# KiCad board KES.kicad_pcb (continued)
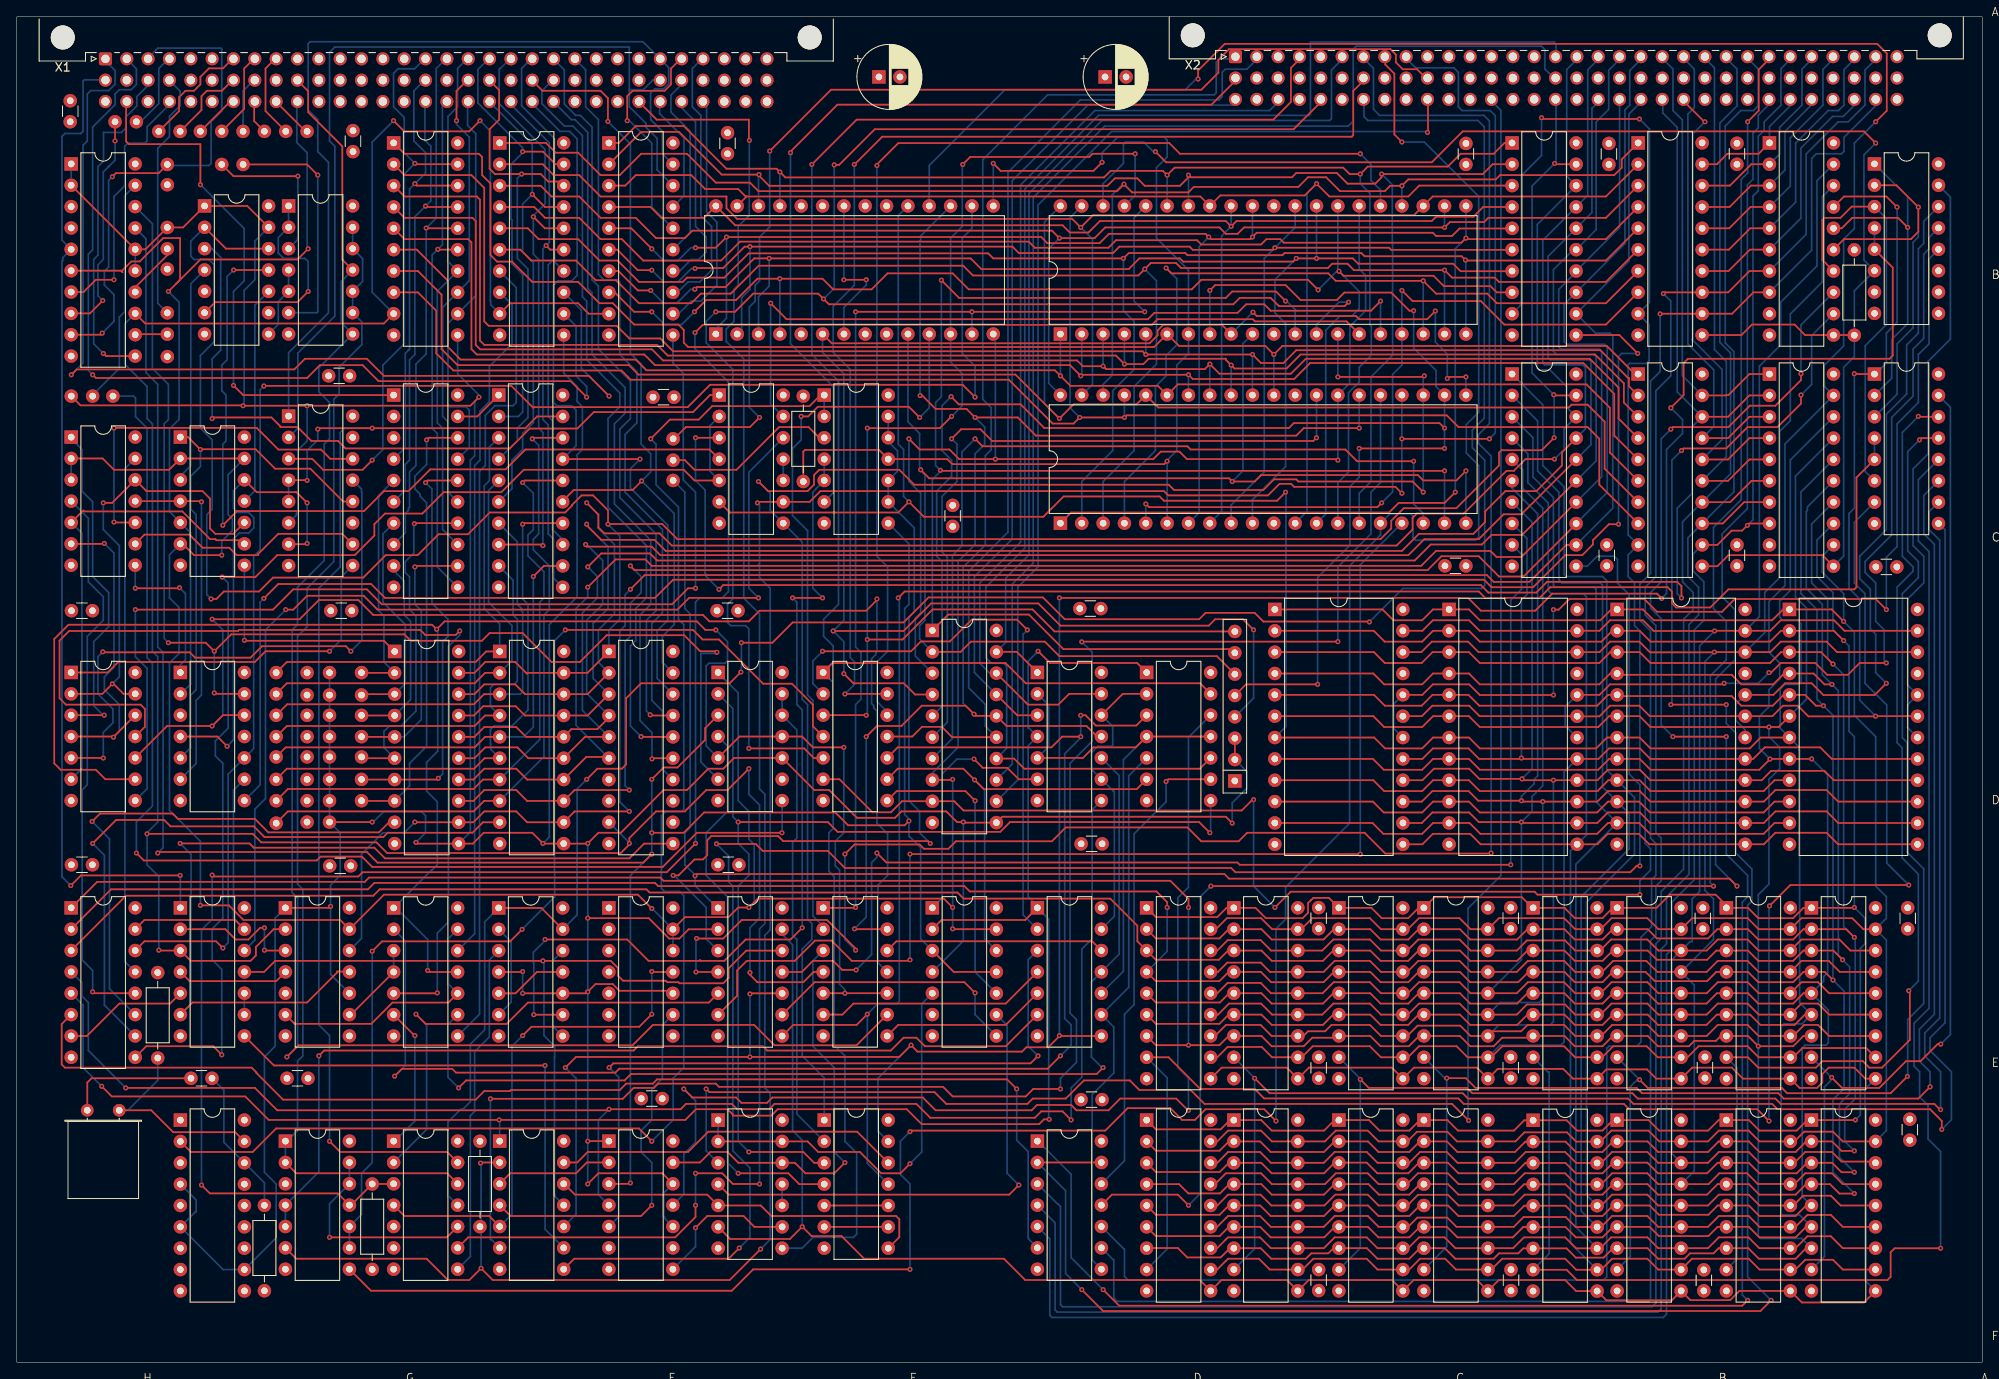
[diagram p0: board, top side]
## Routing (per net, layer and track width the routed paths; a pad name or vN(x,y) marks a point on that pad's centre or on a via; arc(x,y) is an arc through that point) (continued)
-D1: length 220.3
  Top w0.2: v1(183.01,107.43) 179.57,107.43 178.17,106.04 177.3,106.04 172.22,100.96 166.63,100.96 166.12,100.45 166.12,99.05 164.22,97.15 77.96,97.15 76.51,98.6 69.93,98.6 69.22,99.31 69.22,100.83 v1(67.83,102.23) ; FCCM1.2 67.93,79.47 FMCM1.18 60.48,79.47 59.32,80.64 55.63,80.64 54.47,79.47 FWCM1.18
  Bottom w0.2: v1(183.01,107.43) 184.16,108.58 184.16,111.04 BOBK1.18 184.51,113.55 184.47,113.55 184.47,116.05 182.47,118.05 181.16,118.05 180.97,118.24 180.97,135.35 BOAM1.18 184.47,141.09 184.47,153.78 185.74,155.05 ; FCCM1.2 69.22,83.26 69.22,87.11 71.13,89.02 71.13,97.27 69.15,99.26 69.15,100.91 v1(67.83,102.23)
-D2: length 222.1
  Top w0.2: FCCM1.3 67.93,76.93 FMCM1.17 60.48,76.93 59.38,78.03 55.5,78.03 54.4,76.93 FWCM1.17 ; v1(67.83,99.69) 67.83,99.56 69.55,97.83 75.9,97.83 77.22,96.51 164.85,96.51 166.89,98.54 173.36,98.54 174.76,99.94 174.76,101.21 177.17,103.62 180.86,103.62 183.9,106.67 183.9,108.24 BOBK1.17
  Bottom w0.2: 188.28,155.05 186.97,153.74 186.97,138.81 BOAM1.17 181.62,133.46 181.62,118.86 181.83,118.65 186.37,118.65 186.69,118.33 186.69,111.03 BOBK1.17 ; v1(67.83,99.69) 67.83,99.56 70.37,97.02 70.37,89.65 68.59,87.88 68.59,81.35 FCCM1.3
-D3: length 216.7
  Top w0.2: FWCM1.16 54.47,74.39 55.63,75.56 59.44,75.56 60.61,74.39 FMCM1.16 66,75.3 69.1,75.3 70.47,76.68 ; BOBK1.16 179.07,100.87 176.96,100.87 174,97.91 167.52,97.91 165.62,96 76.59,96 75.57,97.02 67.83,97.02 67.7,97.15
  Bottom w0.2: FCCM1.4 67.83,79.57 67.83,88.26 69.73,90.16 69.73,95.37 67.83,97.27 v1(67.7,97.27) ; 188.28,149.97 187.47,149.16 187.47,136.77 BOAM1.16 182.25,131.55 182.25,119.5 182.51,119.25 187.13,119.25 187.36,119.02 187.36,109.16 BOBK1.16
-D4: length 224.4
  Top w0.2: v1(67.95,94.61) 69.55,96.21 75.37,96.21 76.21,95.37 166.38,95.37 168.28,97.27 174.38,97.27 175.52,98.42 179.16,98.42 BOBK1.15 ; FWCM1.15 54.47,71.85 55.76,73.14 59.57,73.14 60.86,71.85 FMCM1.15 67.63,74.39 FCCM1.5
  Bottom w0.2: FCCM1.5 67.32,77.54 67.32,89.15 69.1,90.92 69.1,93.46 v1(67.95,94.61) ; BOAM1.15 187.97,134.73 187.97,147.55 189.47,149.05 189.47,153.7 190.82,155.05 ; BOBK1.15 187.97,107.23 187.97,119.63 187.97,119.63 187.71,119.88 183.27,119.88 182.89,120.26 182.89,129.97 185.27,132.35
-D5: length 222
  Top w0.2: v1(67.95,92.19) 71.25,95.5 74.81,95.5 75.57,94.73 167.14,94.73 168.92,96.51 175.4,96.51 176.12,95.79 179.07,95.79 BOBK1.14 ; FWCM1.14 54.34,69.31 55.63,70.6 59.44,70.6 60.74,69.31 FMCM1.14 67.78,72 70.32,72
  Bottom w0.2: FCCM1.6 66.56,75.76 66.56,89.65 67.95,91.05 v1(67.95,92.19) ; BOAM1.14 190.76,134.98 190.76,149.91 ; BOBK1.14 188.63,105.35 188.63,120.19 188.3,120.52 183.78,120.52 183.52,120.77 183.52,127.63 185.59,129.69
-D6: length 232.6
  Top w0.2: v1(73.03,94.73) 73.03,94.71 73.52,94.23 167.91,94.23 169.56,95.88 174,95.88 176.41,93.46 179.33,93.46 185.59,99.72 ; FWCM1.13 54.34,66.77 55.63,68.06 59.44,68.06 60.74,66.77 FMCM1.13 66.38,68.06 v1(72.91,68.06)
  Bottom w0.2: v1(72.91,68.06) 72.4,68.57 72.4,85.72 73.03,86.35 73.03,90.29 74.3,91.56 74.3,93.46 v1(73.03,94.73) ; 193.36,155.05 191.97,153.66 191.97,149.55 191.4,148.98 191.4,133.08 BOAM1.13 184.16,125.84 184.16,121.4 184.47,121.09 188.99,121.09 189.29,120.79 189.29,103.47 BOBK1.13
-D7: length 250.6
  Top w0.2: v1(72.91,65.52) 66.38,65.52 FMCM1.12 60.74,64.23 59.44,65.52 55.63,65.52 54.34,64.23 FWCM1.12 47.4,64.23 v1(47.38,64.25) ; v1(73.03,91.94) 74.73,93.63 174.97,93.63 175.78,92.83 180.03,92.83 184.43,97.23 BOBK1.12
  Bottom w0.2: v1(73.03,91.94) 72.4,91.31 72.4,87.62 71.76,86.99 71.76,66.67 v1(72.91,65.52) ; v1(47.38,64.25) 46.11,62.98 43.57,62.98 41.03,60.44 41.03,50.41 GIDM1.12 ; BOBK1.12 189.95,101.59 189.95,122.09 189.62,122.42 187.9,122.42 BOAM1.12 191.87,131.01 191.87,148.29 191.91,148.33 191.91,148.52 193.36,149.97
-DAT0: length 105.6
  Bottom w0.2: GIBO1.1 32.35,120.09 37.09,124.83 37.09,142.74 35.82,144.01 35.82,147.82 34.68,148.96 34.68,156.84 34.93,157.09 74.51,157.09 77.58,154.02 77.58,152.11 76.96,151.48 75.93,151.48 75.44,150.98 75.44,148.85 75.45,148.84 75.45,147.82 76.84,146.42 76.84,143.76 FCAM1.19
-DAT1: length 107.1
  Bottom w0.2: FCAM1.18 76.21,141.85 76.21,141.85 76.21,145.59 74.89,146.91 74.89,147.36 72.89,149.36 72.89,151.37 ; 72.89,151.37 72.91,151.38 74.56,151.38 75.73,152.55 76.51,152.55 ; 72.89,151.37 72.89,156.45 72.91,156.46 37.85,156.46 37.22,155.82 37.22,145.28 37.85,144.65 37.85,124.45 33.45,120.05 33.45,111.11 GIBO1.2
-DAT2: length 14.3
  Bottom w0.2: FCAM1.17 79.41,138.75 79.41,145.64 76.51,148.53 76.51,150.01
-DAT3: length 27.5
  Top w0.2: v1(72.65,147.69) 72.65,150.61 73.29,151.25 77.1,151.25 77.86,152.01 77.86,153.9 79.05,155.09
  Bottom w0.2: FCAM1.16 75.57,137.41 75.57,145.03 72.91,147.69 v1(72.65,147.69)
-DAT4: length 21.9
  Bottom w0.2: 79.05,151.93 77.86,150.74 77.86,148.71 80.15,146.42 80.15,134.41 FCAM1.15
-DAT5: length 24.1
  Bottom w0.2: FCAM1.14 78.9,129.81 80.27,131.18 81.16,131.18 82.05,132.07 82.05,133.85 80.78,135.12 80.78,147.57 79.05,149.3 79.05,150.01
-DAT6: length 31.8
  Bottom w0.2: 78.65,127.27 79.89,128.52 81.29,128.52 82.69,129.91 82.69,135.12 81.41,136.39 81.41,148.33 80.4,149.34 80.4,153.9 81.59,155.09
-DAT7: length 28.5
  Bottom w0.2: 78.77,124.73 80.27,126.23 81.41,126.23 83.32,128.14 83.32,135.63 82.1,136.85 82.1,149.5 81.59,150.01
-DMACS: length 92.9
  Top w0.2: v1(162.31,126.23) 161.17,125.09 149.23,125.09 148.47,125.85 146.31,125.85 145.3,124.83 135.39,124.83 134.63,124.07 91.62,124.07 v1(89.72,125.98)
  Bottom w0.2: 91.2,112.51 89.72,113.99 v1(89.72,125.98) ; CAAS1.16 162.31,126.23 v1(162.31,126.23)
-DMARDY0: length 138.5
  Top w0.2: 160.34,152.51 159.06,151.23 159.06,145.97 158.88,145.79 103,145.79 99.7,142.49 v1(99.68,142.49) ; EGCO1.13 98.58,79.51 v1(98.56,79.49)
  Bottom w0.2: v1(99.68,142.49) 99.68,128.11 97.16,125.6 97.16,120.13 99.19,118.1 99.19,83.81 99.7,83.3 99.7,80.64 v1(98.56,79.49)
-EIN8: length 222.8
  Top w0.2: 29.47,90.92 31.12,92.58 42.17,92.58 43.82,90.92 75.95,90.92 78.11,93.08 174.63,93.08 175.52,92.19 180.47,92.19 184.28,96 186.32,96 187.59,97.27 187.59,97.78 189.49,99.69 v1(190.63,99.69) ; BOAM1.11 190.74,122.19 v1(192.92,120.01)
  Bottom w0.2: v1(192.92,120.01) 191.02,120.01 190.63,119.63 v1(190.63,99.69) ; v1(29.41,90.86) 28.96,90.42 28.96,68.68 GSCO1.8
-EIN16: length 124.3
  Top w0.2: v1(14.11,89.53) 30.49,89.53 32.9,91.94 41.66,91.94 43.44,90.16 77.99,90.16 79.89,92.07 v1(80.78,92.07)
  Bottom w0.2: v1(80.78,92.07) 80.78,103.5 79.32,104.96 79.32,117.66 78.09,118.89 FCAM1.11 ; v1(14.11,89.53) 14.11,83.94 15.5,82.54 15.5,68.22 HECO1.8
-HALT: length 148.8
  Bottom w0.2: 183.2,152.51 181.87,153.84 181.87,156.15 181.47,156.55 159.41,156.55 159.06,156.2 159.06,147.64 158.47,147.05 129.47,147.05 120.97,138.55 120.97,95.05 118.47,92.55 118.47,71.15 DUCK1.13
-HALTI: length 101.3
  Top w0.2: v1(114.05,109.85) 114.94,108.96 139.33,108.96 139.71,108.58 158.12,108.58 159.52,107.18 v1(166.25,107.18)
  Bottom w0.2: v1(114.05,109.85) 112.49,108.28 112.49,97.1 111.36,95.98 111.36,74.2 DUCK1.7 ; v1(166.25,107.18) 166.25,102.1 167.39,100.96 167.39,100.95 CABM1.18
-IEO: length 255.8
  Top w0.2: EGCO1.1 97.1,83.18 117.67,83.18 120.09,80.76 140.84,80.76 DACO1.13 ; v1(94.62,142.49) 99.96,147.82 149.55,147.82 151.65,149.92 151.65,153.98 152.72,155.05
  Bottom w0.2: 94.62,142.61 94.62,119.88 97.8,116.71 97.8,90.16 96.02,88.38 96.02,86.35 97.16,85.21 97.16,83.3 95.97,82.11 ; EQEI1.8 93.46,13.56 94.75,14.85 99.58,14.85 99.96,15.23 99.96,24.88 98.56,26.28 98.56,36.44 97.29,37.71 97.29,57.78 96.66,58.41 96.66,62.98 97.16,63.49 97.16,80.86 EGCO1.1
-INH: length 213.1
  Top w0.2: 208.6,155.05 207.32,153.77 207.32,148.89 v1(206,147.57) ; DKEK1.11 130.34,19.93 138.18,19.93 v1(139.45,18.66) ; v1(142.12,56.63) v1(201.94,56.63)
  Bottom w0.2: v1(206,147.57) 206,141.47 205.24,140.71 205.24,102.61 201.94,99.31 201.94,89.65 203.46,88.13 203.46,83.56 201.56,81.65 201.56,57.02 v1(201.94,56.63) ; v1(139.45,18.66) 140.85,20.06 140.85,55.36 v1(142.12,56.63)
-INIT: length 107.7
  Top w0.2: 12.58,129.66 12.39,129.85 HEAO1.6 ; 18.99,128.33 21.85,131.18 33.41,131.18 v1(34.68,132.45) ; 18.99,128.33 v1(18.04,127.37) ; 18.99,128.33 19.44,128.77 19.44,133.72 17.41,133.72 14.63,130.95 13.63,130.95 12.52,129.83 12.52,129.72
  Bottom w0.2: 33.33,150.01 33.33,145.11 34.55,143.88 34.55,132.58 v1(34.68,132.45) ; GSCO1.2 19.53,79.51 20.68,80.67 20.68,98.68 GSBQ1.5 18.17,101.19 18.17,111.02 19.31,112.16 19.31,126.1 v1(18.04,127.37)
-INT: length 288.2
  Top w0.2: GIEK1.8 42.15,8.5 85.1,8.5 87.64,11.04 v1(106.31,11.04) ; 162.88,155.05 162.88,154.37 163.96,153.29 163.96,146.05 v1(164.85,145.15) ; v1(106.31,27.42) 106.43,27.55 129.55,27.55 132.22,30.22 137.29,30.22 138.69,28.82 140.22,28.82 141.49,30.09 148.47,30.09 v1(149.87,28.69)
  Bottom w0.2: v1(106.31,27.42) 105.16,26.28 105.16,22.34 106.31,21.2 v1(106.31,11.04) ; v1(149.87,28.69) 149.87,51.55 151.01,52.7 151.01,56.51 158.63,64.13 158.63,94.73 162.31,98.42 162.31,98.42 CABM1.16 163.41,100.91 165.94,100.91 166.17,100.68 166.17,98.09 166.48,97.78 173.62,97.78 174,98.16 174,106.67 172.52,108.15 172.52,111.55 174,113.02 174,138.68 167.52,145.15 v1(164.85,145.15)
-INT0: length 13.9
  Top w0.2: X9.8.1 19.31,148.84 19.31,150.49 20.07,151.25 21.09,151.25 21.85,152.01 21.85,152.9 22.87,153.92 24.54,153.92 25.71,155.09
-INT1: length 9.8
  Top w0.2: X9.7.1 21.98,148.96 21.98,150.61 22.61,151.25 24.41,151.25 25.71,152.55
-INT2: length 5.1
  Top w0.2: X9.6.1 25.44,150.01
-INT3: length 10.3
  Top w0.2: 28.25,155.09 27.06,153.9 27.06,149.09 X9.5.1
-INT4: length 6.4
  Bottom w0.2: 26.93,146.68 26.93,151.23 28.25,152.55
-INT5: length 4.1
  Top w0.2: X9.3.1 28.25,147.65 28.25,150.01
-INT6: length 10.2
  Top w0.2: X9.2.1 29.6,148.84 29.6,153.9 30.79,155.09
-INT7: length 5.1
  Top w0.2: 30.79,150.01 34.38,146.42
-INTA: length 227.2
  Top w0.2: v1(82.05,32.5) 82.43,32.12 109.23,32.12 110.62,30.73 120.28,30.73 120.91,31.36 124.85,31.36 127.01,33.52 132.47,33.52 133.61,32.38 139.71,32.38 141.36,30.73 170.82,30.73 v1(172.79,28.76)
  Bottom w0.2: v1(82.05,32.5) 82.05,25.14 82.05,25.14 EQEI1.3 ; 175.58,149.97 176.64,148.91 176.64,57.9 172.73,53.99 172.73,28.79
-INTI: length 155.7
  Top w0.2: v1(101.1,76.95) 101.08,76.97 EGCO1.3 ; v1(101.23,111.12) 109.86,111.12 v1(111.26,112.51) ; v1(101.23,85.97) 105.42,85.97 109,89.55 120.89,89.55 123.51,86.93 R2.8 ; v1(112.58,142.49) 113.47,143.38 127.64,143.38 128.02,143.76 v1(133.1,143.76)
  Bottom w0.2: 131.83,137.53 133.1,138.8 v1(133.1,143.76) ; v1(101.1,76.95) 101.23,77.08 v1(101.23,85.97) v1(101.23,111.12) ; v1(112.58,142.49) 112.53,142.44 112.53,135.12 111.14,133.73 DUAS1.12 111.14,118.98 112.53,117.59 112.53,113.78 v1(111.26,112.51)
-IORQ: length 110.8
  Top w0.2: DKCO1.13 125.25,79.51 123.96,78.22 120.34,78.22 DUCK1.18
  Bottom w0.2: 150.18,149.97 149.1,148.9 128.31,148.9 119.47,140.05 119.47,97.55 114.61,92.69 114.61,83.15 115.79,81.97 DUCK1.18
-IORQI: length 168.9
  Top w0.2: v1(172.47,106.04) 171.33,104.89 167.39,104.89 166.76,105.53 148.09,105.53 147.33,104.77 v1(144.66,104.77) 144.28,105.15 108.59,105.15 v1(107.58,106.16) ; DUCK1.2 112.34,84.51 113.55,85.72 122.36,85.72 124.09,83.99 142.83,83.99 R2.6
  Bottom w0.2: DUAS1.10 106.06,111.87 107.45,110.48 107.45,106.42 107.58,106.29 v1(107.58,106.16) 107.58,106.04 108.09,105.53 108.09,88.26 107.45,87.62 107.45,86.03 DUCK1.2 ; CAAS1.10 145.93,121.17 145.93,106.04 v1(144.66,104.77) ; CABM1.20 172.47,106.03 v1(172.47,106.04)
-IOWC: length 64.7
  Top w0.2: FWBM1.1 26.94,115.05 v1(25.79,116.2) ; v1(21.85,140.07) 21.85,144.9 13.34,144.9 13.01,145.23 13.01,150.01
  Bottom w0.2: v1(21.85,140.07) 27.06,134.87 27.06,128.64 25.79,127.37 v1(25.79,116.2)
-KESCLK: length 130.7
  Top w0.2: v1(89.61,144.07) 96.91,151.38 140.98,151.38 143.01,153.41 143.01,154.93 144.28,156.2 163.48,156.2 164.14,155.54 164.14,154.63 164.96,153.81 166.66,153.81 167.96,152.51 ; 78.24,109.85 79.64,111.24 87.26,111.24 v1(88.4,112.39)
  Bottom w0.2: v1(88.4,112.39) 87.18,113.61 87.18,125.52 87.88,126.22 87.88,128.12 88.4,128.64 88.4,133.85 89.61,135.06 v1(89.61,144.07)
-M1: length 99.9
  Top w0.2: DUCK1.17 119.07,76.95 121.45,76.95
  Bottom w0.2: 144.68,149.55 127.47,149.55 118.47,140.55 118.47,97.93 113.97,93.43 113.97,82.05 DUCK1.17
-M1I: length 129
  Top w0.2: v1(106.18,109.85) 107.45,108.58 111.01,108.58 112.15,107.43 v1(116.47,107.43) 135.26,107.43 136.15,108.32 138.38,108.32 139.27,107.43 157.11,107.43 v1(157.23,107.31)
  Bottom w0.2: 116.47,122.06 v1(116.47,107.43) ; v1(106.18,109.85) 106.18,104.77 107.58,103.37 107.58,89.15 106.94,88.51 106.94,84 DUCK1.3 ; v1(157.23,107.31) 157.23,107.31 CABM1.27 158.63,116.45 158.63,118.99 158.67,119.03 158.67,123.22 160.54,125.09 160.54,129.28 159.77,130.04 CAAS1.26
-MRD: length 308.1
  Top w0.2: v1(195.78,90.86) 195.21,91.43 182.76,91.43 180.73,89.4 174.25,89.4 172.73,90.92 v1(124.09,90.92) ; v1(87.26,43.81) 87.33,43.88 EQDM1.10 ; DKDM1.8 124.11,38.81 122.75,37.46 120.15,37.46 119.64,36.95 107.2,36.95 v1(106.43,37.71) 105.04,36.31 v1(87.26,36.31) 66.56,36.31 v1(65.29,35.04) ; AEAO1.5 223.27,130.22 223.27,119.75 222.89,119.37 198.89,119.37 198.38,118.86 198.38,115.05 v1(196.86,113.53)
  Bottom w0.2: v1(65.29,35.04) 66.56,33.77 66.56,17.61 FMEK1.10 ; v1(195.78,90.86) 196.35,91.43 196.35,108.58 198.25,110.48 198.25,112.13 v1(196.86,113.53) ; EGEI1.13 102.56,27.42 102.5,27.42 102.5,33.77 v1(106.43,37.71) ; AEAO1.4 AEAO1.5 ; v1(124.09,38.85) v1(124.09,90.92) ; v1(87.26,36.31) v1(87.26,43.81)
-MRDC: length 122.5
  Top w0.2: v1(6.48,117.47) 7.12,118.1 33.03,118.1 34.3,119.37 41.66,119.37 43.7,117.34 68.08,117.34 v1(70.49,114.93)
  Bottom w0.2: 10.47,154.88 11.69,153.66 11.69,152.04 10.93,151.27 8.8,151.27 8.39,150.87 8.39,145.28 7.88,144.77 7.88,118.86 v1(6.48,117.47) ; v1(70.49,114.93) 67.19,118.23 67.19,125.17 FMAM1.13
-MRDWR: length 221.6
  Top w0.2: v1(101.23,41.39) 99.96,40.12 92.41,40.12 EQDM1.8 ; v1(104.91,90.92) 105.67,91.69 174,91.69 174.76,90.92 181.24,90.92 182.51,92.19 196.48,92.19 196.98,91.69 196.98,90.29 197.49,89.78 201.56,89.78 203.72,91.94 218.7,91.94 218.96,92.19 218.96,105.25 AEBK1.5
  Bottom w0.2: v1(104.91,90.92) 105.04,90.8 105.04,42.92 104.78,42.66 102.5,42.66 v1(101.23,41.39) 101.23,23.67 EGEI1.11 ; AEBK1.4 AEBK1.5
-MREQ: length 109.4
  Top w0.2: DKCO1.1 119.01,84.51 DUCK1.19
  Bottom w0.2: 157.8,155.05 156.47,153.72 156.47,147.92 156.27,147.72 129.14,147.72 120.47,139.05 120.47,96.05 117.69,93.27 117.69,85.61 DUCK1.19
-MRQI: length 194.2
  Top w0.2: v1(151.01,126.23) 149.87,127.37 144.66,127.37 143.9,126.61 112.15,126.61 v1(110.04,128.72) ; v1(109.93,106.1) 109.99,106.04 v1(169.93,106.04) ; DUCK1.1 110.86,88.94 120.45,88.94 124.57,84.83 144.53,84.83
  Bottom w0.2: v1(151.01,126.23) 151.14,126.23 152.28,125.09 152.15,124.96 CAAS1.12 ; CABM1.19 169.93,106.03 v1(169.93,106.04) ; DUCK1.1 108.97,105.02 109.99,106.04 v1(109.93,106.1) 109.35,106.67 109.35,114.17 110.04,114.85 v1(110.04,128.72)
-MWTC: length 113.8
  Top w0.2: v1(67.83,114.8) 65.92,116.71 43.06,116.71 41.16,118.61 36.08,118.61 34.55,117.09 9.41,117.09 v1(9.02,117.47)
  Bottom w0.2: v1(9.02,117.47) 8.52,117.98 8.52,131.82 9.02,132.33 9.02,146.93 11.69,149.6 11.69,150.87 12.2,151.38 13.6,151.38 14.23,152.01 14.23,153.87 13.01,155.09 ; FMAM1.12 66.56,123.26 66.56,117.34 67.83,116.07 v1(67.83,114.8)
-NMI: length 230
  Top w0.2: v1(80.91,50.41) 80.92,50.4 84.07,50.4 86.28,52.61 96.43,52.61 99.83,49.21 v1(99.83,49.01) ; v1(98.56,60.44) 99.7,61.59 107.45,61.59 107.96,61.08 110.88,61.08 111.77,61.97 123.2,61.97 124.85,63.62 139.33,63.62 140.98,61.97 145.42,61.97 146.44,62.98 160.41,62.98 162.88,60.51 175.41,60.51 v1(175.47,60.57) ; EQDM1.4 v1(80.83,46.42)
  Bottom w0.2: v1(80.91,50.41) 80.83,50.34 v1(80.83,46.42) ; v1(99.83,49.01) 98.56,50.28 v1(98.56,60.44) ; 160.34,155.05 161.47,153.92 161.47,149.05 162.19,148.33 174.61,148.33 175.27,147.67 175.27,111.65 173.97,110.35 173.97,109.29 175.47,107.79 v1(175.47,60.57)
-NMI2: length 136.9
  Top w0.2: EQDM1.6 85.73,43.6 85.73,46.6 86.88,47.74 92.59,47.74 95,50.16 96.97,50.16 99.38,47.74 106.18,47.74 v1(106.31,47.87) ; v1(106.31,60.44) v1(159.9,60.44)
  Bottom w0.2: CABM1.17 159.9,94.86 v1(159.9,60.44) ; v1(106.31,60.44) v1(106.31,47.87)
-RD: length 163.4
  Top w0.2: EGDM1.13 99.75,51.51 v1(99.7,51.55) ; v1(101.1,74.41) 102.37,75.68 105.29,75.68 107.7,78.1 112.92,78.1 v1(113.93,77.09) 114.13,76.89 DUCK1.16 117.8,75.68 127.31,75.68 128.57,74.43
  Bottom w0.2: v1(113.93,77.09) 112.63,78.39 112.63,94.58 115.27,97.22 115.27,107.85 115.97,108.55 115.97,113.55 114.97,114.55 114.97,143.05 122.69,150.77 142.5,150.77 142.76,151.02 142.76,154.63 143.18,155.05 145.1,155.05 ; v1(99.7,51.55) 101.1,52.95 v1(101.1,74.41)
-RDI: length 208.7
  Top w0.2: v1(97.16,86.99) 105.54,86.99 108.82,90.26 121.57,90.26 124.21,87.62 141.87,87.62 142.63,88.38 145.93,88.38 v1(147.2,87.11) ; v1(147.13,124.91) 147.58,124.45 159.39,124.45 159.77,124.07 167.85,124.07 v1(168.83,125.05) ; v1(172.47,117.21) 170.44,117.21 v1(170.25,117.02) ; CAAS1.9 143.43,123.41 136.45,123.41 135.77,122.73 135.77,122.16 134.83,121.21 97,121.21 DUAS1.6 ; v1(98.43,81.91) 99.58,80.76 105.57,80.76 106.9,79.43 DUCK1.4
  Bottom w0.2: v1(168.83,125.05) 168.83,121.37 170.25,119.94 v1(170.25,117.02) ; R2.4 147.2,79 v1(147.2,87.11) ; v1(98.43,81.91) 98.43,85.72 v1(97.16,86.99) 98.43,88.26 98.43,117.59 95.9,120.13 DUAS1.6 ; CAAS1.9 v1(147.13,124.91) ; CABM1.21 v1(172.47,117.21)
-RESET: length 126.7
  Top w0.2: v1(167.9,146.3) 167.96,146.35 167.96,149.97
  Bottom w0.2: v1(167.9,146.3) 167.8,146.4 130.28,146.4 121.55,137.66 121.55,94.61 119.13,92.19 119.13,69.27 DUCK1.12
-RESETI: length 371.3
  Top w0.2: v1(111.39,54.09) 110.33,55.15 88.19,55.15 v1(87.13,54.09) 85.86,54.09 84.71,52.94 79.53,52.94 FCDM1.13 ; v1(159.77,111.12) 153.17,111.12 152.28,110.23 121.29,110.23 119.13,112.39 v1(114.05,112.39) 113.04,113.4 109.35,113.4 107.77,114.99 v1(107.51,114.99) ; GSBQ1.13 GSBQ1.2 18.12,106.16 11.56,106.16 10.22,107.51 HEBQ1.2 ; v1(24.39,96) 21.09,96 19.74,97.35 ; v1(111.39,51.55) 111.43,51.51 DUDM1.13 ; v1(75.57,53.97) 73.92,55.62 43.7,55.62 GIDM1.13 38.49,52.61 26.97,52.61 25.24,54.35 v1(21.85,54.35) ; v1(111.39,69.33) 111.32,69.27 DUCK1.8
  Bottom w0.2: v1(107.51,114.99) 107.5,115 107.5,133.39 107.58,133.47 107.58,133.99 DUAS1.17 ; v1(87.13,54.09) 87.76,54.73 87.76,61.59 87.13,62.22 87.13,65.52 85.86,66.79 85.86,79.62 83.47,82.01 ; DUCK1.8 108.97,70.09 112.02,73.14 112.02,95.24 114.05,97.27 114.05,108.07 115.2,109.21 115.2,111.24 v1(114.05,112.39) ; FCDM1.12 FCDM1.13 75.62,53.97 v1(75.57,53.97) ; v1(21.85,54.35) 21.85,61.97 18.17,65.65 18.17,83.18 19.31,84.32 19.31,89.78 18.17,90.92 18.17,96.05 GSBQ1.6 ; GSBQ1.13 25.15,105.57 25.15,100.83 25.66,100.32 25.66,98.93 24.39,97.66 v1(24.39,96) ; v1(159.77,111.12) 159.77,111.12 CABM1.26 ; v1(111.39,69.33) v1(111.39,54.09) v1(111.39,51.55) ; HEBQ1.3 HEBQ1.2
-RFSH: length 176
  Top w0.2: DUCK1.14 118.69,71.81 119.9,70.6 140.8,70.6 DACO1.10
  Bottom w0.2: 183.2,155.05 183.2,156.82 182.97,157.05 153.97,157.05 153.97,148.47 153.83,148.33 128.75,148.33 119.97,139.55 119.97,96.84 115.32,92.19 115.32,83.81 115.98,83.15 117.46,83.15 117.81,82.8 117.81,73.03 DUCK1.14
-RFSHI: length 87.2
  Top w0.2: v1(154.69,109.97) 154.31,109.59 116.09,109.59 114.69,110.99 112.4,110.99 v1(111.26,109.85)
  Bottom w0.2: DUCK1.6 110.75,76.13 110.75,95.75 110.12,96.39 110.12,102.99 111.9,104.77 111.9,109.21 v1(111.26,109.85) ; CABM1.28 v1(154.69,109.97)
-S1: length 62.3
  Top w0.2: 44.31,64.23 43.1,63.03 29.94,63.03 28.33,64.64 19.19,64.64 18.55,65.27 9.91,65.27 v1(8.96,64.32)
  Bottom w0.2: HEDM1.11 11.03,44.41 11.03,62.25 v1(8.96,64.32)
-S2: length 76.2
  Top w0.2: v1(9.02,61.71) 11.82,64.51 17.53,64.51 18.3,63.75 28.2,63.75 29.47,62.48 43.63,62.48 44.14,62.98 54.24,62.98 55.48,64.23 FMCM1.9
  Bottom w0.2: HEDM1.10 10.42,42.48 10.42,60.32 v1(9.02,61.71)
-SCLK: length 276.1
  Top w0.2: v1(80.73,57.87) 80.93,58.07 143.73,58.07 144.28,57.52 203.84,57.52 v1(204.73,56.63)
  Bottom w0.2: v1(204.73,56.63) 202.19,59.17 202.19,81.27 204.47,83.55 204.47,89.55 202.97,91.05 202.97,98.55 205.97,101.55 205.97,140.05 206.64,140.72 206.64,146.22 207.27,146.85 207.27,148.35 208.47,149.55 ; X703.1 79.51,103.5 79.51,89.65 80.15,89.02 80.15,63.62 79.51,62.98 79.51,59.17 80.73,57.96 v1(80.73,57.87) 80.73,56.69 83.37,54.04
-WAIT: length 321.3
  Top w0.2: GIEK1.6 33.26,12.31 48.78,12.31 51.32,9.77 53.86,9.77 v1(55.25,11.17) 56.65,9.77 84.84,9.77 v1(88.53,13.45) ; v1(175.27,109.85) v1(164.85,109.85) ; FMEK1.2 55.27,23.76 v1(55.19,23.68) ; v1(164.85,103.37) 164.09,104.13 152.03,104.13 151.66,104.49 150.29,104.49 148.92,103.12 137.04,103.12 136.53,103.62 95.64,103.62 94.37,102.35 EQBM1.9 88.27,102.35 v1(88.15,102.23)
  Bottom w0.2: v1(175.27,109.85) 175.97,110.55 175.97,148.29 175.36,148.9 172.01,148.9 171.56,149.34 171.57,149.36 171.57,153.45 171.04,153.98 166.54,153.98 166.47,154.05 166.42,154.05 165.42,155.05 ; v1(55.19,23.68) 55.25,23.61 v1(55.25,11.17) ; v1(164.85,103.37) 164.85,103.37 v1(164.85,109.85) CABM1.24 ; v1(88.15,102.23) 88.4,101.97 88.4,94.99 88.27,94.86 88.4,94.73 88.4,93.34 89.67,92.07 89.67,51.43 89.03,50.79 89.03,32.63 89.67,32 89.67,14.6 v1(88.53,13.45)
-WAKEUP: length 147.4
  Top w0.2: v1(34.55,104.89) 34.52,104.93 GIBO1.4 ; FWEK1.13 51.22,25.01 38.49,25.01 v1(37.22,26.28) ; FMBM1.19 61.92,112.51 60.52,111.11 v1(42.3,111.11) 35.94,111.11 v1(35.82,110.99)
  Bottom w0.2: v1(34.55,104.89) 34.55,108.45 35.82,109.72 v1(35.82,110.99) ; GIBO1.4 GIBO1.5 ; v1(42.3,111.11) 38.99,111.11 38.49,110.61 38.49,94.61 35.95,92.07 35.95,40.12 37.22,38.85 v1(37.22,26.28)
-WERAM: length 299.4
  Top w0.2: CGEI1.10 163.68,9.77 153.76,9.77 CQEI1.10 151.18,9.77 143.38,9.77 DAEI1.10 140.8,9.77 120.02,9.77 117.48,12.31 100.85,12.31 98.16,15 94.6,15 v1(93.48,16.12) 92.02,14.66 84.91,14.66 EQEI1.6 ; 164.97,8.49 166.25,9.77 173.8,9.77 BWEI1.10 176.38,9.77 184.28,9.77 185.6,8.46 BMEI1.10 189.19,7.36 196.97,7.36 BEEI1.10 199.19,7.38 203.93,7.38 205.03,8.48 ASEI1.10 212.47,7.1 219.84,7.1 AKEI1.10 ; DADM1.10 143.4,35.04 151.16,35.04 CQDM1.10 153.78,35.04 163.66,35.04 CGDM1.10 166.28,35.04 173.78,35.04 BWDM1.10 176.25,34.89 184.05,34.89 185.22,33.73 BMDM1.10 189.19,34.83 194.02,34.83 195.12,33.73 BEDM1.10 199.4,35.04 204.13,35.04 205.44,33.73 ASDM1.10 212.19,32.63 214.26,32.63 214.89,33.27 214.89,34.28 215.65,35.04 218.7,35.04 220.02,33.73 AKDM1.10
  Bottom w0.2: 91.09,50.9 92.34,49.65 92.34,27.55 93.48,26.41 v1(93.48,16.12) ; AKDM1.10 219.97,32.48 219.97,9.73 AKEI1.10
-WR: length 121.5
  Top w0.2: EGCO1.11 106.58,74.43 107.73,75.58 110.09,75.58 111.32,74.35 DUCK1.15
  Bottom w0.2: DUCK1.15 115.27,75.67 115.27,78.25 113.29,80.23 113.29,94.07 117.97,98.75 117.97,141.55 126.58,150.16 143.08,150.16 143.47,150.55 143.47,153.46 143.82,153.81 146.4,153.81 147.64,155.05
-WRI: length 201.4
  Top w0.2: v1(111.2,114.86) 112.11,113.95 119.48,113.95 122.29,111.14 151.41,111.14 151.99,111.72 169.33,111.72 v1(169.93,111.12) ; v1(141.99,127.5) 142.63,128.14 151.01,128.14 152.79,126.36 157.11,126.36 158,127.25 163.58,127.25 165.74,125.09 v1(166.25,125.09) ; R2.5 146.3,80.64 v1(154.82,80.64) ; v1(169.93,108.7) v1(159.77,108.7)
  Bottom w0.2: v1(166.25,125.09) 166.25,120.64 168.92,117.98 168.92,116.06 CABM1.22 v1(169.93,111.12) v1(169.93,108.7) ; v1(111.2,114.86) 110.12,113.78 110.12,108.45 111.26,107.31 111.26,105.4 109.48,103.62 109.48,95.88 110.12,95.24 110.12,78.04 DUCK1.5 ; CAAS1.8 141.99,127.5 v1(141.99,127.5) ; v1(159.77,108.7) 159.77,105.28 158.67,104.17 158.67,97.19 154.82,93.34 v1(154.82,80.64)
-XACK: length 200.5
  Top w0.2: v1(32.14,36.31) 33.53,37.7 73.29,37.7 75.71,40.12 87.75,40.12 90.18,37.7 99.94,37.7 EGDM1.9 ; GIAS1.11 38.74,131.16 38.74,144.65 34.68,148.71 34.68,151.2 33.33,152.55
  Bottom w0.2: v1(32.14,36.31) 33.41,37.58 33.41,55.24 32.77,55.87 32.77,87.11 33.41,87.75 33.41,92.19 36.58,95.37 36.58,109.21 37.22,109.85 37.22,114.17 35.95,115.44 35.95,118.29 GIAS1.8 38.62,123.66 38.62,128.58 GIAS1.11
/2.05: length 329.2
  Top w0.2: 189.98,26.26 188.73,25.01 185.56,25.01 184.33,26.24 BMEI1.2 179.54,26.24 178.32,25.01 171.46,25.01 170.21,26.26 BWEI1.2 ; CGEI1.2 160.81,26.26 162.06,25.01 165.74,25.01 166.99,26.26 ; 144.24,51.51 143.14,50.41 135.57,50.41 DADM1.2 ; 212.97,26.26 211.72,25.01 207.4,25.01 206.15,26.26 ASEI1.2 202.55,26.26 201.3,25.01 195.33,25.01 194.09,26.26 BEEI1.2 ; 156.76,51.51 155.54,50.28 149.36,50.28 148.13,51.51 CQDM1.2 ; CGCI1.3 161.53,84.47 162.82,83.18 167.2,83.18 168.5,84.47 BOCI1.3 172.83,84.47 174.12,83.18 188.35,83.18 189.64,84.47 AWCI1.3 193.15,84.47 194.44,83.18 208.67,83.18 209.96,84.47 AGCI1.3 214.74,84.47 v1(216.16,83.05) ; 144.26,26.26 143.16,25.16 135.57,25.16 DAEI1.2 ; 189.96,51.51 188.73,50.28 185.43,50.28 184.2,51.51 BMDM1.2 ; 166.84,51.51 165.62,50.28 162.31,50.28 161.09,51.51 CGDM1.2 ; v1(218.7,50.54) 217.73,51.51 AKDM1.2 212.65,51.51 211.42,50.28 207.27,50.28 206.05,51.51 ASDM1.2 202.4,51.51 201.3,50.41 195.21,50.41 194.11,51.51 BEDM1.2 ; 179.8,51.51 178.57,50.28 172.98,50.28 171.76,51.51 BWDM1.2 ; AKEI1.2 216.06,26.26 217.18,25.14 v1(218.7,25.14) ; CQEI1.2 147.98,26.26 149.23,25.01 155.58,25.01 156.83,26.26